# Altium PCB Mainboard_gnd_bak.PcbDoc (part 1 of 2)
Units mm, origin at the board's own origin, x right, y up, seen from the top; angles counter-clockwise.
Board outline 200 x 58.2 mm, 2 copper layers (PWR, GND); 166 components, 194 nets, 633 pads, 65 vias.
Unrouted connection lines stored in the file: 19.
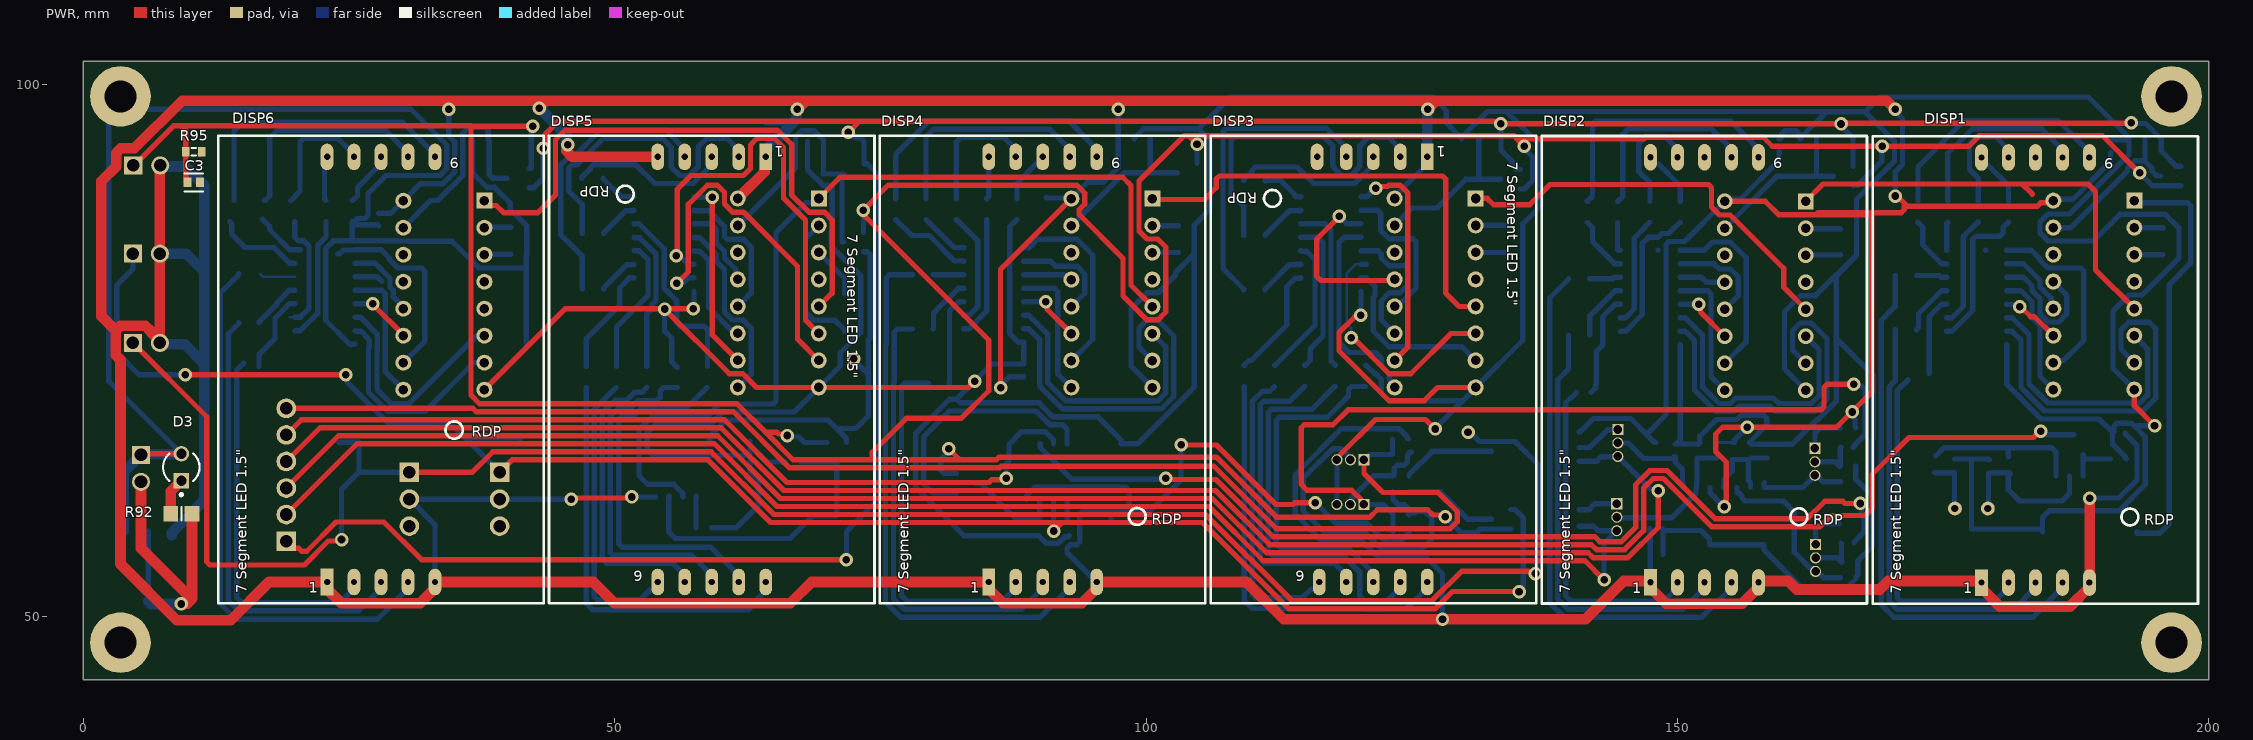
[diagram p0: PWR view]
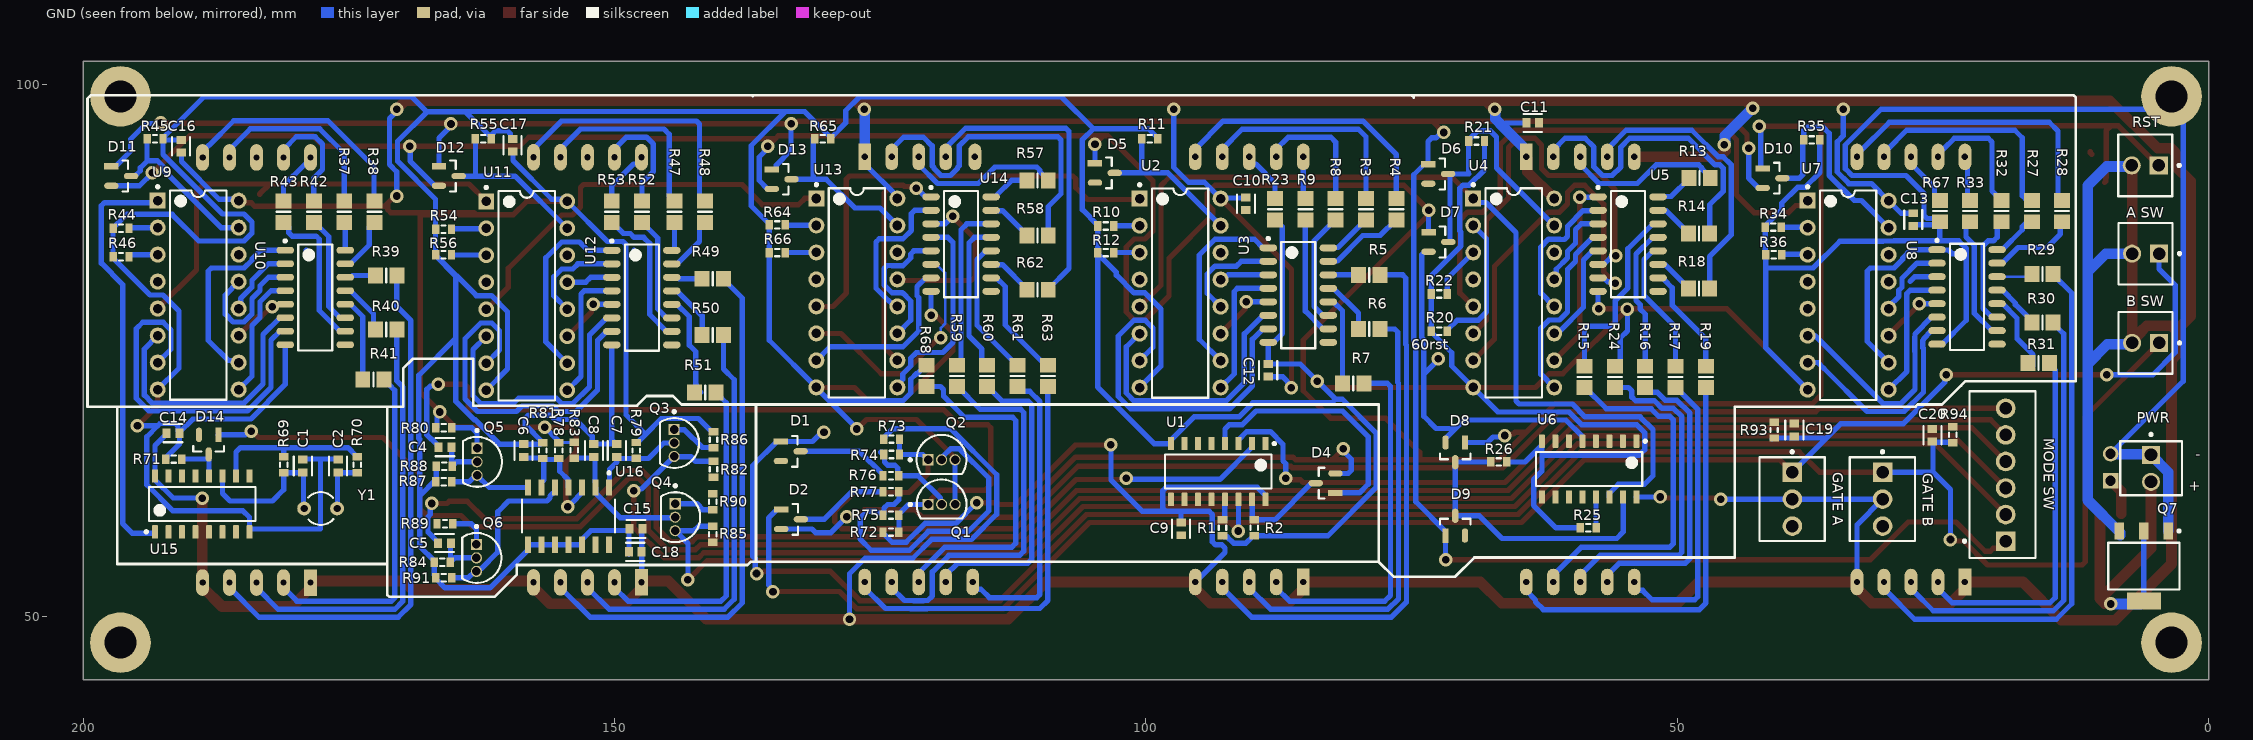
[diagram p1: GND view, seen from below]

## Layer stack, top to bottom
Top Solder: solder mask 0.0102, Solder Resist, Dk 3.5
PWR: signal copper 0.0356
Dielectric 1: dielectric 0.32, FR-4, Dk 4.8
GND: signal copper 0.0356
Bottom Solder: solder mask 0.0102, Solder Resist, Dk 3.5

## Board outline
0,44 200,44 200,102.2 0,102.2

## Design rules (kind name [scope] priority, off if disabled: settings)
Clearance [All] p1: gap=0.254 ignorepadtopadclearanceinfootprint=FALSE except(0: Arc-Hole Track-Hole SMDPad-Hole THPad-Hole Via-Hole Fill-Hole Poly-Hole Region-Hole Text-Hole)
PolygonConnect [All] p1: connectstyle=Relief reliefconductorwidth=0.254 reliefentries=4 polygonreliefangle="90 Angle" airgapwidth=0.254
RoomDefinition Bramka_Main [InComponentClass('Bramka_Main')] p1: confinementstyle=ConfineIn formatcopy=TRUE lockcomponents=FALSE outline 0,98.5 0.1,98.4 12.5,98.4 12.5,71.6 23.1,71.6 25,69.7 44.6,69.7 44.6,49 44.7,48.9 44.4,48.6 0,48.6 0,52.1 0.1,52.2
RoomDefinition "Licznik Minut" [InComponentClass('Licznik Minut')] p2: confinementstyle=ConfineIn formatcopy=TRUE lockcomponents=FALSE outline 12.443,48.9 43.7,48.9 43.7,97.9 12.443,97.9
RoomDefinition "Licznik Sekund" [InComponentClass('Licznik Sekund')] p3: confinementstyle=ConfineIn formatcopy=TRUE lockcomponents=FALSE outline 43.7,48.9 106.1,48.9 106.1,97.9 43.7,97.9
RoomDefinition "Uklad Sterowania" [InComponentClass('Uklad Sterowania')] p4: confinementstyle=ConfineIn formatcopy=TRUE lockcomponents=FALSE outline 76.1,48.7 168.2,48.7 168.2,69.7 76.1,69.7
RoomDefinition "SR latch" [InComponentClass('SR latch')] p5: confinementstyle=ConfineIn formatcopy=TRUE lockcomponents=FALSE outline 114.6,68.2 114.6,56.3 136.3,56.3 136.3,68.2
RoomDefinition "Uklad rozniczkujacy" [InComponentClass('Uklad rozniczkujacy')] p6: confinementstyle=ConfineIn formatcopy=TRUE lockcomponents=FALSE outline 137,69.4 137,52 170.4,52 170.9,52.5 169.9,53.5 169.9,69.3
RoomDefinition "Generator podstawy czasowej" [InComponentClass('Generator podstawy czasowej')] p7: confinementstyle=ConfineIn formatcopy=TRUE lockcomponents=FALSE outline 198.3,68.8 171.7,68.8 171.7,55.3 198.3,55.3
RoomDefinition "Licznik Milisekund" [InComponentClass('Licznik Milisekund')] p8: confinementstyle=ConfineIn formatcopy=TRUE lockcomponents=FALSE outline 106.1,48.9 199.2,48.9 199.2,97.9 106.1,97.9
RoutingVias [All] p1: holewidth=0.711 width=1.27 viastyle="Through Hole" minholewidth=0.711 minwidth=1.27 maxholewidth=0.711 maxwidth=1.27
SolderMaskExpansion [All] p1: expansion=0.102 istentingtop=FALSE
Width [All] p1: maxlimit=1 minlimit=0.254 preferedwidth=0.5 minimp=50.000000 maximp=50.000000 favimp=50.000000
30 further rules are at their usual default settings.

## Classes and differential pairs
component class "Uklad Sterowania": 2 C9 D1 D2 D4 "MODE SW" R1 R2 U1
component class "Uklad rozniczkujacy": C4 C5 C6 C7 C8 C15 Q3 Q4 Q5 Q6 R78 R79 R80 R81 R82 R83 R84 R85 R86 R87 R88 R89 R90 R91 U16
component class "SR latch": Q1 Q2 R72 R73 R74 R75 R76 R77
component class "Licznik Sekund": C10 C11 C12 D5 D6 D7 D8 D9 DISP4 DISP5 R3 R4 R5 R6 R7 R8 R9 R10 R11 R12 R13 R14 R15 R16 R17 R18 R19 R20 R21 R22 R23 R24 R25 R26 U2 U3 U4 U5 U6
component class "Licznik Minut": C13 D10 DISP6 R27 R28 R29 R30 R31 R32 R33 R34 R35 R36 R67 U7 U8
component class "Licznik Milisekund": C16 C17 C18 D11 D12 D13 DISP3 R37 R38 R39 R40 R41 R42 R43 R44 R45 R46 R47 R48 R49 R50 R51 R52 R53 R54 R55 R56 R57 R58 R59 R60 R61 R62 R63 R64 R65 R66 R68 U9 U10 U11 U12 U13 U14
component class "Generator podstawy czasowej": C1 C2 C14 D14 R69 R70 R71 U15 Y1
component class Bramka_Main: "A SW" "B SW" C3 C19 C20 D3 "GATE B" PWR Q7 R92 R93 R94 R95 RST

## Components (designator, comment, footprint, x,y, rotation, side; value= is the part's Value field where it differs from the comment)
"A SW" "22-27-2021" MOLX-22-27-2021_V 5.94,84.1 r0 bottom (schematic designator "Bramka A test")
"B SW" "22-27-2021" MOLX-22-27-2021_V 5.94,75.7 r0 bottom (schematic designator "Bramka B test")
C1 "C0603_30pf" FP-C0603C-CF-MFG 179.343,64.117 r90 bottom value="30 pF"
C2 "C0603_30pf" FP-C0603C-CF-MFG 176.024,64.117 r90 bottom value="30 pF"
C3 "C0603_30pf" FP-C0603C-CF-MFG 10.4,90.8 r0 top value="30 pF"
C4 "C0603_10nf" FP-C0603C-CF-MFG 165.962,65.887 r180 bottom value="30 pF"
C5 "C0603_10nf" FP-C0603C-CF-MFG 166.015,56.867 r180 bottom value="30 pF"
C6 "C0603_1nf" FP-C0603C-CF-MFG 158.565,65.573 r270 bottom value="30 pF"
C7 "C0603_1nf" FP-C0603C-CF-MFG 149.796,65.584 r270 bottom value="30 pF"
C8 "C0603_1nf" FP-C0603C-CF-MFG 151.953,65.573 r270 bottom value="30 pF"
C9 "C0603_100nf" FP-C0603C-CF-MFG 96.7,58.2 r90 bottom value="30 pF"
C10 "C0603_100nf" FP-C0603C-CF-MFG 90.6,88.8 r90 bottom value="30 pF"
C11 "C0603_100nf" FP-C0603C-CF-MFG 63.6,96.4 r0 bottom value="30 pF"
C12 "C0603_100nf" FP-C0603C-CF-MFG 88.5,73.121 r270 bottom value="30 pF"
C13 "C0603_100nf" FP-C0603C-CF-MFG 27.805,87.3 r90 bottom value="30 pF"
C14 "C0603_100nf" FP-C0603C-CF-MFG 191.554,67.2 r0 bottom value="30 pF"
C15 "C0603_100nf" FP-C0603C-CF-MFG 148,58.2 r180 bottom value="30 pF"
C16 "C0603_100nf" FP-C0603C-CF-MFG 190.793,94.2 r270 bottom value="30 pF"
C17 "C0603_100nf" FP-C0603C-CF-MFG 159.6,94.3 r270 bottom value="30 pF"
C18 "C0603_100nf" FP-C0603C-CF-MFG 148.064,56.043 r180 bottom value="30 pF"
C19 "C0603_30pf" FP-C0603C-CF-MFG 39,67.5 r90 bottom value="30 pF"
C20 "C0603_30pf" FP-C0603C-CF-MFG 26,67 r90 bottom value="30 pF"
D1 "BAT54C-7-F" FP-SOT23-IPC_B 133.427,65.5 r180 bottom
D2 "BAT54C-7-F" FP-SOT23-IPC_B 133.4,59.1 r180 bottom
D3 "HLMP-1301" FP-HLMP-1301-MFG 9.23,64 r90 top
D4 "BAT54C-7-F" FP-SOT23-IPC_B 83.1,62.5 r0 bottom
D5 "BAT54C-7-F" FP-SOT23-IPC_B 103.875,91.7 r180 bottom
D6 "BAT54C-7-F" FP-SOT23-IPC_B 72.5,91.6 r180 bottom
D7 "BAT54C-7-F" FP-SOT23-IPC_B 72.485,85.2 r180 bottom
D8 "BAT54C-7-F" FP-SOT23-IPC_B 70.9,65.4 r270 bottom
D9 "BAT54C-7-F" FP-SOT23-IPC_B 70.9,58.5 r90 bottom
D10 "BAT54C-7-F" FP-SOT23-IPC_B 41.043,91.2 r180 bottom
D11 "BAT54C-7-F" FP-SOT23-IPC_B 196.427,91.4 r180 bottom
D12 "BAT54C-7-F" FP-SOT23-IPC_B 165.6,91.4 r180 bottom
D13 "BAT54C-7-F" FP-SOT23-IPC_B 134.285,91.1 r180 bottom
D14 "BAT54C-7-F" FP-SOT23-IPC_B 188.2,66.127 r270 bottom
DISP1 "LSD150BAG-101-01" "7 segment display"#1 178.616,53.149 r90 top
DISP2 "LSD150BAG-101-01" "7 segment display"#1 147.471,53.17 r90 top
DISP3 "LSD150BAG-101-01_RDP_UP" "7 segment display"#2 126.468,93.2 r270 top
DISP4 "LSD150BAG-101-01" "7 segment display"#1 85.2,53.2 r90 top
DISP5 "LSD150BAG-101-01_RDP_UP" "7 segment display"#1 64.212,93.2 r270 top
DISP6 "LSD150BAG-101-01" "7 segment display"#1 22.94,53.2 r90 top
"GATE A" "22-29-2031" FP-22-29-2031-MFG 39.2,61 r270 bottom (schematic designator "Bramka A")
"GATE B" "22-29-2031" FP-22-29-2031-MFG 30.7,61 r270 bottom (schematic designator "Bramka B")
"MODE SW" "22-04-1061" FP-22-04-1061-MFG 19.4,63.296 r270 bottom (schematic designator "Prelacznik trybu")
PWR "22-27-2021" MOLX-22-27-2021_V 5.43,63.9 r270 bottom (schematic designator Zasilanie)
Q1 "BC547C" ONSC-TO-92-3-29-11 119.23,60.5 r180 bottom
Q2 "BC547C" ONSC-TO-92-3-29-11 119.242,64.7 r180 bottom
Q3 "BC547C" ONSC-TO-92-3-29-11 144.4,66.281 r270 bottom
Q4 "BC547C" ONSC-TO-92-3-29-11 144.3,59.3 r270 bottom
Q5 "BC547C" ONSC-TO-92-3-29-11 162.948,64.51 r270 bottom
Q6 "BC547C" ONSC-TO-92-3-29-11 163.001,55.47 r270 bottom
Q7 "BSP170P" INF-PG-SOT223_SC-73_N 6.1,54.7 r270 bottom
R1 "Res3" J1-0603 92.8,58.3 r270 bottom value=100K
R2 "Res3" J1-0603 89.8,58.3 r270 bottom value=100K
R3 "Res3" 6-0805_M 79.298,88.274 r90 bottom value=150
R4 "Res3" 6-0805_M 76.444,88.274 r90 bottom value=150
R5 "Res3" 6-0805_M 78.991,82.1 r180 bottom value=150
R6 "Res3" 6-0805_M 78.991,77 r180 bottom value=150
R7 "Res3" 6-0805_M 80.5,71.9 r180 bottom value=150
R8 "Res3" 6-0805_M 82.152,88.274 r90 bottom value=150
R9 "Res3" 6-0805_M 85.006,88.274 r90 bottom value=150
R10 "Res3" J1-0603 103.8,86.7 r0 bottom value=100K
R11 "Res3" J1-0603 99.65,94.9 r180 bottom value=100K
R12 "Res3" J1-0603 103.8,84.2 r0 bottom value=100K
R13 "Res3" 6-0805_M 47.9,91.2 r180 bottom value=150
R14 "Res3" 6-0805_M 47.962,86 r180 bottom value=150
R15 "Res3" 6-0805_M 58.734,72.5 r270 bottom value=150
R16 "Res3" 6-0805_M 53.025,72.5 r270 bottom value=150
R17 "Res3" 6-0805_M 50.171,72.5 r270 bottom value=150
R18 "Res3" 6-0805_M 47.962,80.8 r180 bottom value=150
R19 "Res3" 6-0805_M 47.316,72.5 r270 bottom value=150
R20 "Res3" J1-0603 72.4,76.8 r0 bottom value=100K
R21 "Res3" J1-0603 68.9,94.7 r180 bottom value=100K
R22 "Res3" J1-0603 72.4,80.3 r0 bottom value=100K
R23 "Res3" 6-0805_M 87.861,88.274 r90 bottom value=150
R24 "Res3" 6-0805_M 55.879,72.5 r270 bottom value=150
R25 "Res3" J1-0603 58.4,58.3 r0 bottom value=100K
R26 "Res3" J1-0603 66.8,64.5 r180 bottom value=100K
R27 "Res3" 6-0805_M 16.643,88.1 r90 bottom value=150
R28 "Res3" 6-0805_M 13.789,88.1 r90 bottom value=150
R29 "Res3" 6-0805_M 15.643,82.2 r180 bottom value=150
R30 "Res3" 6-0805_M 15.643,77.6 r180 bottom value=150
R31 "Res3" 6-0805_M 16,73.8 r180 bottom value=150
R32 "Res3" 6-0805_M 19.498,88.1 r90 bottom value=150
R33 "Res3" 6-0805_M 22.443,88.1 r90 bottom value=150
R34 "Res3" J1-0603 40.993,86.6 r0 bottom value=100K
R35 "Res3" J1-0603 37.343,94.8 r180 bottom value=100K
R36 "Res3" J1-0603 40.943,84 r0 bottom value=100K
R37 "Res3" 6-0805_M 175.446,88.047 r90 bottom value=150
R38 "Res3" 6-0805_M 172.591,88.047 r90 bottom value=150
R39 "Res3" 6-0805_M 171.496,82.047 r180 bottom value=150
R40 "Res3" 6-0805_M 171.496,76.947 r180 bottom value=150
R41 "Res3" 6-0805_M 172.7,72.247 r180 bottom value=150
R42 "Res3" 6-0805_M 178.3,88.047 r90 bottom value=150
R43 "Res3" 6-0805_M 181.154,88.047 r90 bottom value=150
R44 "Res3" J1-0603 196.45,86.5 r0 bottom value=100K
R45 "Res3" J1-0603 193.25,94.9 r180 bottom value=100K
R46 "Res3" J1-0603 196.45,83.8 r0 bottom value=100K
R47 "Res3" 6-0805_M 144.363,88.035 r90 bottom value=150
R48 "Res3" 6-0805_M 141.509,88.035 r90 bottom value=150
R49 "Res3" 6-0805_M 140.763,81.735 r180 bottom value=150
R50 "Res3" 6-0805_M 140.763,76.435 r180 bottom value=150
R51 "Res3" 6-0805_M 141.471,71.035 r180 bottom value=150
R52 "Res3" 6-0805_M 147.417,88.035 r90 bottom value=150
R53 "Res3" 6-0805_M 150.271,88.035 r90 bottom value=150
R54 "Res3" J1-0603 166.1,86.4 r0 bottom value=100K
R55 "Res3" J1-0603 162.35,94.9 r180 bottom value=100K
R56 "Res3" J1-0603 166.1,84 r0 bottom value=100K
R57 "Res3" 6-0805_M 110.2,91 r180 bottom value=150
R58 "Res3" 6-0805_M 110.2,85.8 r180 bottom value=150
R59 "Res3" 6-0805_M 117.8,72.6 r270 bottom value=150
R60 "Res3" 6-0805_M 114.946,72.6 r270 bottom value=150
R61 "Res3" 6-0805_M 112.091,72.6 r270 bottom value=150
R62 "Res3" 6-0805_M 110.2,80.7 r180 bottom value=150
R63 "Res3" 6-0805_M 109.237,72.6 r270 bottom value=150
R64 "Res3" J1-0603 134.7,86.8 r0 bottom value=100K
R65 "Res3" J1-0603 130.4,94.9 r180 bottom value=100K
R66 "Res3" J1-0603 134.7,84.2 r0 bottom value=100K
R67 "Res3" 6-0805_M 25.298,88.1 r90 bottom value=150
R68 "Res3" 6-0805_M 120.654,72.6 r270 bottom value=150
R69 "Res3" J1-0603 181.147,64.217 r90 bottom value=1M
R70 "Res3" J1-0603 174.217,64.217 r270 bottom value=330R
R71 "Res3" J1-0603 191.504,64.771 r0 bottom value=100K
R72 "Res3" J1-0603 124,57.9 r180 bottom value=4K7
R73 "Res3" J1-0603 123.947,66.654 r180 bottom value=4K7
R74 "Res3" J1-0603 123.947,65.2 r180 bottom value=470K
R75 "Res3" J1-0603 124,59.5 r0 bottom value=470K
R76 "Res3" J1-0603 124,63.2 r180 bottom value=100K
R77 "Res3" J1-0603 124,61.7 r180 bottom value=100K
R78 "Res3" J1-0603 155.261,65.573 r270 bottom value=220K
R79 "Res3" J1-0603 147.961,65.58 r270 bottom value=10k
R80 "Res3" J1-0603 166.065,67.706 r180 bottom value=250
R81 "Res3" J1-0603 156.761,65.573 r90 bottom value=51K
R82 "Res3" J1-0603 140.7,63.8 r270 bottom value=10k
R83 "Res3" J1-0603 153.8,65.6 r270 bottom value=10k
R84 "Res3" J1-0603 166.215,55.06 r0 bottom value=100K
R85 "Res3" J1-0603 140.774,57.7 r270 bottom value=10k
R86 "Res3" J1-0603 140.7,66.6 r270 bottom value=250
R87 "Res3" J1-0603 166.065,62.626 r0 bottom value=10k
R88 "Res3" J1-0603 166.044,64.08 r0 bottom value=100K
R89 "Res3" J1-0603 165.965,58.672 r180 bottom value=250
R90 "Res3" J1-0603 140.774,60.754 r270 bottom value=250
R91 "Res3" J1-0603 166.065,53.606 r0 bottom value=10k
R92 "Res3" 6-0805_M 9.23,59.621 r0 top value=220
R93 "Res3" J1-0603 40.9,67.5 r90 bottom value=220k
R94 "Res3" J1-0603 24.1,67.05 r90 bottom value=220k
R95 "Res3" J1-0603 10.4,93.7 r0 top value=220k
RST "22-27-2021" MOLX-22-27-2021_V 5.97,92.4 r0 bottom (schematic designator "Reset Na panel")
U1 "CD4017BM96" D0016A_L 93.2,63.6 r270 bottom
U2 "CD4026BE" N0016A 96.79,80.39 r180 bottom
U3 "ULN2003D1013TR" STM-SO-16_M 85.671,80.2 r180 bottom
U4 "CD4026BE" N0016A 65.4,80.4 r180 bottom
U5 "ULN2003D1013TR" STM-SO-16_M 54.641,84.995 r180 bottom
U6 "CD4017BM96" D0016A_L 58.3,63.829 r270 bottom
U7 "CD4026BE" N0016A 33.933,80.19 r180 bottom
U8 "ULN2003D1013TR" STM-SO-16_M 22.743,80.026 r180 bottom
U9 "CD4026BE" N0016A 189.19,80.197 r180 bottom
U10 "ULN2003D1013TR" STM-SO-16_M 178.175,79.972 r180 bottom
U11 "CD4026BE" N0016A 158.271,80.135 r180 bottom
U12 "ULN2003D1013TR" STM-SO-16_M 147.442,79.961 r180 bottom
U13 "CD4026BE" N0016A 127.2,80.4 r180 bottom
U14 "ULN2003D1013TR" STM-SO-16_M 117.4,85 r180 bottom
U15 "CD4060BM96" D0016A_L 188.805,60.542 r90 bottom
U16 "LM339DR" FP-D0014A-MFG 154.343,59.394 r270 bottom
Y1 "4.096MHz" R38 177.667,60.117 r90 bottom

## Footprints (in the part's own frame and the unit in brackets; to place one, negate y for a bottom-side part, rotate by r counter-clockwise, add the part's x,y. Pads: shape width x height; smd on the part's side, far side on the other; paste and mask are expansions set on the pad)
6-0805_M [mm] "Chip Resistor, Body 2.0x1.2mm, IPC Low Density"
  rect 1.4x1.5 smd: 1(-1,0) 2(1,0)
  silkscreen extent 0,-0.65 0,0.65, body extent -1.07,-0.7 1.07,0.7, height 0.7
"7 segment display"#1 [mm]
  rect 2.5x1.2 hole 0.6: 1(0,0)
  oval 2.5x1.2 hole 0.6: 2(0,-2.54) 3(0,-5.08) 4(0,-7.62) 5(0,-10.16) 6(40,-10.16) 7(40,-7.62) 8(40,-5.08) 9(40,-2.54) 10(40,0)
  silkscreen extent -2,-20.38 42,10.24
"7 segment display"#2 [mm]
  rect 2.5x1.2 hole 0.6: 1(0,0)
  oval 2.5x1.2 hole 0.6: 2(0,-2.54) 3(0,-5.08) 4(0,-7.62) 5(0,-10.368) 6(40,-10.16) 7(40,-7.62) 8(40,-5.08) 9(40,-2.54) 10(40,0)
  silkscreen extent -2,-20.38 42,10.24
D0016A_L [mm] "SOIC, 16-Leads, Body 10x4mm, Pitch 1.27mm, IPC High Density"
  rrect18% 1.25x0.55 smd: 1(-2.625,4.445) 2(-2.625,3.175) 3(-2.625,1.905) 4(-2.625,0.635) 5(-2.625,-0.635) 6(-2.625,-1.905) 7(-2.625,-3.175) 8(-2.625,-4.445) 9(2.625,-4.445) 10(2.625,-3.175) 11(2.625,-1.905) 12(2.625,-0.635) 13(2.625,0.635) 14(2.625,1.905) 15(2.625,3.175) 16(2.625,4.445)
  silkscreen extent -2.75,-5 1.6,5.39, body extent -3,-4.95 3,4.95, height 1.59
FP-22-04-1061-MFG [mm]
  rect 1.85x1.85 hole 1.2 paste-1000 mask+0: 1(6.25,0.3)
  round 1.85 hole 1.2 paste-1000 mask+0: 2(3.75,0.3) 3(1.25,0.3) 4(-1.25,0.3) 5(-3.75,0.3) 6(-6.25,0.3)
  silkscreen extent -7.85,-3.7 7.85,3.1, body extent -7.25,-2.9 7.25,2.9, height 12.1
FP-22-29-2031-MFG [mm]
  rect 1.84x1.84 hole 1.19 paste-1000 mask+0: 1(-2.54,0.02)
  round 1.84 hole 1.19 paste-1000 mask+0: 2(0,0.02) 3(2.54,0.02)
  silkscreen extent -4.57,-3.08 3.94,3.08, body extent -3.81,-2.9 3.81,2.9, height 12.05
FP-C0603C-CF-MFG [mm]
  rect 0.75x0.9 smd paste+0 mask+0: 1(-0.6,0) 2(0.6,0)
  silkscreen extent -0.87,-0.85 0.88,0.85, body extent -0.8,-0.4 0.8,0.4, height 0.87
FP-D0014A-MFG [mm]
  rect 1.55x0.6 smd paste-1000 mask+0: 1(-2.7,3.81) 2(-2.7,2.54) 3(-2.7,1.27) 4(-2.7,0) 5(-2.7,-1.27) 6(-2.7,-2.54) 7(-2.7,-3.81) 8(2.7,-3.81) 9(2.7,-2.54) 10(2.7,-1.27) 11(2.7,0) 12(2.7,1.27) 13(2.7,2.54) 14(2.7,3.81)
  silkscreen extent -4.2,-4.38 1.55,4.38, body extent -3,-4.33 3,4.33, height 1.75
FP-HLMP-1301-MFG [mm]
  rect 1.45x1.45 hole 0.95 paste-1000 mask+0: 1(-1.27,0)
  round 1.45 hole 0.95 paste-1000 mask+0: 2(1.27,0)
  silkscreen extent -2.7,-1.71 1.3,1.71, body extent -2.22,-2.22 2.22,2.22, height 0.25
FP-SOT23-IPC_B [mm]
  rect 1.359x0.587 smd paste+0 mask+0: 1(-0.927,0.915)
  rrect100% 1.359x0.587 smd paste+0 mask+0: 2(-0.927,-0.915) 3(0.927,0)
  silkscreen extent 0.13,-1.45 0.65,1.45, body extent -1.2,-1.45 1.2,1.45, height 1.1
INF-PG-SOT223_SC-73_N [mm] "SOT223, 4-Leads, Body 6.5x3.5mm, Pitch 2.3mm, IPC Medium Density"
  rect 1.6x0.9 smd: 1(-3.3,2.3) 2(-3.3,0) 3(-3.3,-2.3)
  rect 1.6x3.2 smd: 4(3.3,0)
  silkscreen extent -3.42,-3.35 2.2,3.42, body extent -1.85,-3.35 1.85,3.35, height 1.8
J1-0603 [mm] "Chip Resistor, Body 1.6x0.8mm, IPC High Density"
  rect 0.7x0.9 smd: 1(-0.75,0) 2(0.75,0)
  silkscreen extent -0.2,-0.35 0.2,0.35, body extent -0.85,-0.48 0.85,0.48, height 0.9
MOLX-22-27-2021_V [mm] "Header, 2-Leads, Body 5.8x5.08mm"
  rect 1.7x1.7 hole 1.19: 1(-1.27,0)
  round 1.7 hole 1.19: 2(1.27,0)
  silkscreen extent -3.31,-2.9 2.54,2.9, body extent -2.54,-2.9 2.54,2.9, height 11.72
N0016A [mm] "DIP, 16-Leads, Body 19.7x6.6mm, Pitch 2.54mm"
  rect 1.5x1.5 hole 0.9: 1(-3.81,8.89)
  round 1.5 hole 0.9: 2(-3.81,6.35) 3(-3.81,3.81) 4(-3.81,1.27) 5(-3.81,-1.27) 6(-3.81,-3.81) 7(-3.81,-6.35) 8(-3.81,-8.89) 9(3.81,-8.89) 10(3.81,-6.35) 11(3.81,-3.81) 12(3.81,-1.27) 13(3.81,1.27) 14(3.81,3.81) 15(3.81,6.35) 16(3.81,8.89)
  silkscreen extent -3.94,-9.85 2.65,10.31, body extent -3.95,-9.85 3.95,9.85, height 5.08
ONSC-TO-92-3-29-11 [mm] "TO, 3-Leads, Body Dia 4.7mm, Pitch 1.27mm"
  rect 1.05x1.05 hole 0.8: 1(-1.27,0)
  round 1.05 hole 0.8: 2(0,0) 3(1.27,0)
  silkscreen extent -3.08,-1.34 2.35,2.35, body extent -2.35,-1.33 2.36,2.36, height 7.87
R38 [mm] "Crystal, Thru-Hole; 2 Leads; Body 3.1 x 8.2 mm (Dia.xH)"
  round 1.3 hole 0.7: 1(0,1.55) 2(0,-1.55)
  silkscreen extent -1.55,-1.19 1.55,1.17
STM-SO-16_M [mm] "SOIC, 16-Leads, Body 10x4mm, Pitch 1.27mm, IPC Low Density"
  oval 1.65x0.65 smd: 1(-2.825,4.445) 2(-2.825,3.175) 3(-2.825,1.905) 4(-2.825,0.635) 5(-2.825,-0.635) 6(-2.825,-1.905) 7(-2.825,-3.175) 8(-2.825,-4.445) 9(2.825,-4.445) 10(2.825,-3.175) 11(2.825,-1.905) 12(2.825,-0.635) 13(2.825,0.635) 14(2.825,1.905) 15(2.825,3.175) 16(2.825,4.445)
  silkscreen extent -2.95,-5 1.6,5.44, body extent -2,-5 2,5, height 1.75
